# Allegro board SDHCalFEB.brd (continued)
## Routing (per net, layer and track width the routed paths; a pad name or vN(x,y) marks a point on that pad's centre or on a via; arc(x,y) is an arc through that point) (continued)
; v2(94.08,289.74) 94.51,289.74 ; v1(373.13,185.19) 373.13,185.62 ; v1(373.13,185.19) 373.56,185.19 ; v1(373.13,185.19) 373.13,184.76 ; v1(373.13,185.19) 372.69,185.19 ; v2(258.39,247.6) 258.39,248.03 ; v2(258.39,247.6) 258.39,247.17 ; v2(258.39,247.6) 257.96,247.6 ; v2(258.39,247.6) 258.83,247.6 ; 249.02,272.31 v2(249.45,272.31) ; v2(249.45,272.31) 249.89,272.31 ; v2(249.45,272.31) 249.45,272.75 ; v2(249.45,272.31) 249.45,271.88 ; 261.49,347.7 v1(261.49,348.13) ; v1(261.49,348.13) 261.06,348.13 ; v1(261.49,348.13) 261.49,348.56 ; v1(261.49,348.13) 261.93,348.13 ; v2(253.54,40.97) 253.98,40.97 ; v2(253.54,40.97) 253.11,40.97 ; v2(253.54,40.97) 253.54,40.54 ; v2(253.54,40.97) 253.54,41.4 ; J12.5 251.28,199.9 ; J12.5 252.41,198.77 ; J12.5 251.28,197.64 ; J12.5 250.15,198.77 ; 335.15,36.14 v2(335.58,36.14) ; v2(335.58,36.14) 336.02,36.14 ; v2(335.58,36.14) 335.58,36.58 ; v2(335.58,36.14) 335.58,35.71 ; 30.38,87.78 v2(30.81,87.78) ; v2(30.81,87.78) 31.24,87.78 ; v2(30.81,87.78) 30.81,87.35 ; v2(30.81,87.78) 30.81,88.21 ; J7.2 99.79,330.61 ; J7.2 98.66,329.48 ; J7.2 100.92,329.48 ; J7.2 99.79,328.35 ; v1(318.19,22.2) 318.19,22.63 ; v1(318.19,22.2) 318.19,21.77 ; v1(318.19,22.2) 317.75,22.2 ; v1(318.19,22.2) 318.62,22.2 ; v2(174.96,197.26) 174.96,197.69 ; v2(174.96,197.26) 175.39,197.26 ; v2(174.96,197.26) 174.52,197.26 ; v2(174.96,197.26) 174.96,196.82 ; 180.75,177.04 v2(181.18,177.04) ; v2(181.18,177.04) 181.61,177.04 ; v2(181.18,177.04) 181.18,176.61 ; v2(181.18,177.04) 181.18,177.47 ; v1(66.52,359.33) 66.52,359.77 ; v1(66.52,359.33) 66.09,359.33 ; v1(66.52,359.33) 66.52,358.9 ; v1(66.52,359.33) 66.95,359.33 ; v2(253.01,199.44) 253.01,199.87 ; v2(253.01,199.44) 253.01,199.01 ; v2(253.01,199.44) 252.58,199.44 ; v2(253.01,199.44) 253.44,199.44 ; 324.38,20.98 v1(324.38,21.41) ; v1(324.38,21.41) 324.38,21.84 ; v1(324.38,21.41) 323.95,21.41 ; v1(324.38,21.41) 324.82,21.41 ; v2(175.97,165.13) 176.4,165.13 ; v2(175.97,165.13) 175.97,164.69 ; v2(175.97,165.13) 175.54,165.13 ; v2(175.97,165.13) 175.97,165.56 ; 82.42,21.89 v1(82.42,22.33) ; v1(82.42,22.33) 82.42,22.76 ; v1(82.42,22.33) 81.99,22.33 ; v1(82.42,22.33) 82.86,22.33 ; J49.3 261.32,175.3 ; J49.3 259.05,175.3 ; J49.3 260.18,174.17 ; J49.3 260.18,176.43 ; v2(173.58,192.35) 174.02,192.35 ; v2(173.58,192.35) 173.58,191.92 ; v2(173.58,192.35) 173.15,192.35 ; v2(173.58,192.35) 173.58,192.79 ; U1053.6 v1(348.73,127.67) ; 173,33.5 v2(173,33.93) ; v2(173,33.93) 173.43,33.93 ; v2(173,33.93) 173,34.37 ; v2(173,33.93) 172.57,33.93 ; 338.48,319.02 v2(338.48,319.46) ; v2(338.48,319.46) 338.91,319.46 ; v2(338.48,319.46) 338.05,319.46 ; v2(338.48,319.46) 338.48,319.89 ; v2(99.09,178.13) 99.52,178.13 ; v2(99.09,178.13) 99.09,178.56 ; v2(99.09,178.13) 99.09,177.7 ; v2(99.09,178.13) 98.65,178.13 ; v2(175.67,162.64) 175.67,163.07 ; v2(175.67,162.64) 175.23,162.64 ; v2(175.67,162.64) 175.67,162.2 ; v2(175.67,162.64) 176.1,162.64 ; v2(337.26,197.99) 337.26,198.43 ; v2(337.26,197.99) 336.83,197.99 ; v2(337.26,197.99) 337.69,197.99 ; v2(337.26,197.99) 337.26,197.56 ; 248.06,41.05 v2(248.49,41.05) ; v2(248.49,41.05) 248.49,41.48 ; v2(248.49,41.05) 248.49,40.61 ; v2(248.49,41.05) 248.92,41.05 ; J32.5 91.7,38.27 ; J32.5 90.57,39.4 ; J32.5 90.57,37.13 ; J32.5 89.44,38.27 ; 339.85,86.38 v2(339.85,86.82) ; v2(339.85,86.82) 339.42,86.82 ; v2(339.85,86.82) 340.28,86.82 ; v2(339.85,86.82) 339.85,87.25 ; 177.55,88.39 v2(177.55,88.82) ; v2(177.55,88.82) 177.55,89.26 ; v2(177.55,88.82) 177.98,88.82 ; v2(177.55,88.82) 177.11,88.82 ; v2(39.9,174.07) 40.34,174.07 ; v2(39.9,174.07) 39.9,173.63 ; v2(39.9,174.07) 39.47,174.07 ; v2(39.9,174.07) 39.9,174.5 ; v2(272.59,178.64) 273.03,178.64 ; v2(272.59,178.64) 272.16,178.64 ; v2(272.59,178.64) 272.59,178.21 ; v2(272.59,178.64) 272.59,179.07 ; 256.02,271.72 J4.3 ; J4.3 256.02,273.98 ; J4.3 257.15,272.85 ; J4.3 254.89,272.85 ; 160.86,42.29 v2(160.86,42.72) ; v2(160.86,42.72) 160.86,43.16 ; v2(160.86,42.72) 161.29,42.72 ; v2(160.86,42.72) 160.43,42.72 ; 238.56,198.4 v2(238.99,198.4) ; v2(238.99,198.4) 238.99,197.97 ; v2(238.99,198.4) 239.42,198.4 ; 37.66,89.69 J58.2 ; J58.2 36.52,90.82 ; J58.2 37.66,91.95 ; J58.2 38.79,90.82 ; v2(175.34,171.25) 175.34,171.68 ; v2(175.34,171.25) 175.77,171.25 ; v2(175.34,171.25) 175.34,170.81 ; v2(175.34,171.25) 174.9,171.25 ; v2(176.76,249.1) 177.19,249.1 ; v2(176.76,249.1) 176.76,248.67 ; v2(176.76,249.1) 176.33,249.1 ; v2(176.76,249.1) 176.76,249.53 ; v1(380.56,108.7) 380.56,109.14 ; v2(251.89,96.24) 251.89,96.67 ; v2(251.89,96.24) 252.32,96.24 ; v2(251.89,96.24) 251.46,96.24 ; v2(251.89,96.24) 251.89,95.81 ; 180.16,24.38 v1(180.59,24.38) ; v1(180.59,24.38) 181.03,24.38 ; v1(180.59,24.38) 180.59,24.82 ; v1(180.59,24.38) 180.59,23.95 ; v2(98.93,93.62) 98.93,94.06 ; v2(98.93,93.62) 98.93,93.19 ; v2(98.93,93.62) 98.5,93.62 ; v2(98.93,93.62) 99.37,93.62 ; v2(32,332.36) 32,332.79 ; v2(32,332.36) 32.44,332.36 ; v2(32,332.36) 32,331.93 ; v2(32,332.36) 31.57,332.36 ; 233.78,196.62 v2(233.78,197.05) ; v2(233.78,197.05) 233.78,197.49 ; v2(233.78,197.05) 234.21,197.05 ; v2(233.78,197.05) 233.35,197.05 ; J47.4 96.85,255.26 ; J47.4 95.72,254.13 ; J47.4 94.59,255.26 ; J47.4 95.72,256.39 ; 260.6,246.76 v2(260.6,247.19) ; v2(260.6,247.19) 260.6,247.63 ; v2(260.6,247.19) 261.04,247.19 ; v2(260.6,247.19) 260.17,247.19 ; 318.57,21.23 v1(319,21.23) ; v1(319,21.23) 319,21.67 ; v1(319,21.23) 319.43,21.23 ; v1(319,21.23) 319,20.8 ; v2(176.4,84.99) 176.84,84.99 ; v2(176.4,84.99) 175.97,84.99 ; v2(176.4,84.99) 176.4,85.42 ; v2(176.4,84.99) 176.4,84.56 ; v2(177.78,161.86) 177.78,162.3 ; v2(101.3,35) 101.73,35 ; v2(101.3,35) 101.3,35.43 ; v2(101.3,35) 101.3,34.57 ; v2(101.3,35) 100.86,35 ; 89.49,113.58 J24.4 ; J24.4 91.75,113.58 ; J24.4 90.62,112.45 ; J24.4 90.62,114.71 ; 98.7,263.52 v2(99.14,263.52) ; v2(99.14,263.52) 99.14,263.09 ; v2(99.14,263.52) 99.14,263.96 ; v2(99.14,263.52) 99.57,263.52 ; v1(267.08,19.53) 267.08,19.96 ; v1(267.08,19.53) 266.65,19.53 ; v1(267.08,19.53) 267.08,19.1 ; v1(267.08,19.53) 267.51,19.53 ; v2(224.99,339.67) 225.43,339.67 ; v2(224.99,339.67) 224.56,339.67 ; v2(224.99,339.67) 224.99,340.11 ; v2(224.99,339.67) 224.99,339.24 ; v2(182.37,260.81) 182.8,260.81 ; v2(182.37,260.81) 181.94,260.81 ; v2(182.37,260.81) 182.37,261.24 ; v2(182.37,260.81) 182.37,260.37 ; v2(94.79,272.85) 94.79,273.28 ; v2(94.79,272.85) 94.79,272.41 ; v2(94.79,272.85) 94.36,272.85 ; v2(94.79,272.85) 95.23,272.85 ; v2(177.09,168.91) 177.09,169.34 ; v2(177.09,168.91) 177.09,168.48 ; v2(177.09,168.91) 176.66,168.91 ; v2(177.09,168.91) 177.52,168.91 ; v2(266.6,176.66) 266.6,177.09 ; v2(266.6,176.66) 267.03,176.66 ; v2(266.6,176.66) 266.17,176.66 ; v2(266.6,176.66) 266.6,176.22 ; R1450.1 181.1,322.78 ; 175.75,263.76 C171.2 ; C171.2 177.07,262.57 ; C171.2 178.4,263.76 ; v2(29.51,38.79) 29.95,38.79 ; v2(29.51,38.79) 29.51,38.35 ; v2(29.51,38.79) 29.51,39.22 ; v2(29.51,38.79) 29.08,38.79 ; C1413.2 355.78,189.07 ; J63.2 35.62,261.09 ; J63.2 36.75,259.96 ; J63.2 35.62,258.83 ; J63.2 34.49,259.96 ; 30.56,333.35 v2(30.56,333.78) ; v2(30.56,333.78) 30.99,333.78 ; v2(30.56,333.78) 30.12,333.78 ; v2(30.56,333.78) 30.56,334.21 ; 111.38,173.28 v2(111.38,173.71) ; v2(111.38,173.71) 110.95,173.71 ; v2(111.38,173.71) 111.38,174.14 ; v2(249.71,40.72) 250.14,40.72 ; v2(249.71,40.72) 249.28,40.72 ; v2(249.71,40.72) 249.71,40.28 ; v2(249.71,40.72) 249.71,41.15 ; 163.04,350.29 v1(163.47,350.29) ; v1(163.47,350.29) 163.47,349.86 ; v1(163.47,350.29) 163.91,350.29 ; v1(163.47,350.29) 163.47,350.72 ; v1(185.83,20.07) 186.26,20.07 ; v1(185.83,20.07) 185.83,20.5 ; v1(185.83,20.07) 185.83,19.63 ; v1(185.83,20.07) 185.39,20.07 ; 178.08,167.69 v2(178.51,167.69) ; v2(178.51,167.69) 178.51,168.12 ; v2(178.51,167.69) 178.51,167.26 ; v2(178.51,167.69) 178.94,167.69 ; J43.4 28.8,334.1 ; J43.4 26.54,334.1 ; J43.4 27.67,332.97 ; J43.4 27.67,335.23 ; 320.95,20.8 C1449.2 ; C1449.2 319.63,22 ; C1449.2 322.28,22 ; v2(275.74,181) 275.74,181.43 ; v2(275.74,181) 275.31,181 ; v2(275.74,181) 276.17,181 ; v2(275.74,181) 275.74,180.57 ; v2(173.28,277.8) 173.71,277.8 ; v2(173.28,277.8) 173.28,278.23 ; v2(173.28,277.8) 172.85,277.8 ; v2(173.28,277.8) 173.28,277.37 ; J2.2 335.16,277.83 ; J2.2 334.03,278.96 ; J2.2 334.03,276.7 ; J2.2 332.9,277.83 ; v2(259.46,326.39) 259.89,326.39 ; v2(259.46,326.39) 259.46,325.96 ; v2(259.46,326.39) 259.03,326.39 ; v2(259.46,326.39) 259.46,326.82 ; J29.3 179.5,85.6 ; J29.3 178.37,84.47 ; J29.3 180.63,84.47 ; J29.3 179.5,83.34 ; v1(373.08,186.69) 373.51,186.69 ; v1(373.08,186.69) 373.08,186.26 ; v1(373.08,186.69) 373.08,187.12 ; v1(373.08,186.69) 372.64,186.69 ; v2(253.03,278.16) 253.47,278.16 ; v2(253.03,278.16) 253.03,278.59 ; v2(253.03,278.16) 252.6,278.16 ; v2(253.03,278.16) 253.03,277.72 ; 173,37.46 v2(173,37.9) ; v2(173,37.9) 173.43,37.9 ; v2(173,37.9) 172.57,37.9 ; v2(173,37.9) 173,38.33 ; 260.3,24.36 v1(260.3,24.79) ; v1(260.3,24.79) 259.87,24.79 ; v1(260.3,24.79) 260.73,24.79 ; v1(260.3,24.79) 260.3,25.22 ; v2(236.85,36.09) 237.29,36.09 ; v2(236.85,36.09) 236.85,36.53 ; v2(236.85,36.09) 236.42,36.09 ; v2(236.85,36.09) 236.85,35.66 ; v2(179.91,177.04) 179.91,177.47 ; v2(179.91,177.04) 180.34,177.04 ; v2(179.91,177.04) 179.91,176.61 ; v2(179.91,177.04) 179.48,177.04 ; J59.3 340.45,256.34 ; J59.3 339.32,255.21 ; J59.3 340.45,254.08 ; J29.2 180.63,89.22 ; J29.2 179.5,88.09 ; J29.2 178.37,89.22 ; J29.2 179.5,90.35 ; v2(251.76,38.51) 251.76,38.94 ; v2(251.76,38.51) 251.76,38.07 ; v2(251.76,38.51) 252.2,38.51 ; v2(251.76,38.51) 251.33,38.51 ; v2(173.15,163.02) 173.58,163.02 ; 24.71,19.07 v1(24.71,19.51) ; v1(24.71,19.51) 25.15,19.51 ; v1(24.71,19.51) 24.71,19.94 ; v1(24.71,19.51) 24.28,19.51 ; J18.3 335.38,115.27 ; J18.3 336.51,114.13 ; J18.3 335.38,113 ; J18.3 334.25,114.13 ; 340.18,163.68 J17.3 ; J17.3 341.31,164.81 ; J17.3 340.18,165.94 ; J17.3 339.05,164.81 ; 325.02,48.79 v2(325.02,49.23) ; v2(325.02,49.23) 325.45,49.23 ; v2(325.02,49.23) 325.02,49.66 ; v2(325.02,49.23) 324.59,49.23 ; v2(109.78,326.9) 109.78,327.33 ; v2(109.78,326.9) 110.21,326.9 ; v2(109.78,326.9) 109.78,326.47 ; v2(109.78,326.9) 109.35,326.9 ; v2(337.24,195.05) 337.67,195.05 ; v2(337.24,195.05) 337.24,195.48 ; v2(337.24,195.05) 336.8,195.05 ; v2(337.24,195.05) 337.24,194.61 ; v2(183.11,257.12) 183.11,257.56 ; v2(183.11,257.12) 183.54,257.12 ; v2(183.11,257.12) 182.68,257.12 ; v2(183.11,257.12) 183.11,256.69 ; 35.15,85.72 v2(35.59,85.72) ; v2(35.59,85.72) 35.59,86.16 ; v2(35.59,85.72) 35.59,85.29 ; v2(35.59,85.72) 36.02,85.72 ; 35.62,254.08 J63.3 ; J63.3 34.49,255.21 ; J63.3 36.75,255.21 ; J63.3 35.62,256.34 ; 88.72,194.61 v2(89.15,194.61) ; v2(89.15,194.61) 89.15,195.05 ; v2(89.15,194.61) 89.59,194.61 ; v2(89.15,194.61) 89.15,194.18 ; 339.71,173.97 J48.3 ; J48.3 340.84,175.1 ; J48.3 338.58,175.1 ; J48.3 339.71,176.23 ; 189.36,321.94 v2(189.36,322.38) ; v2(189.36,322.38) 188.92,322.38 ; v2(189.36,322.38) 189.79,322.38 ; v2(189.36,322.38) 189.36,322.81 ; v2(222.66,340.79) 223.09,340.79 ; v2(222.66,340.79) 222.66,340.36 ; v2(222.66,340.79) 222.22,340.79 ; v2(222.66,340.79) 222.66,341.22 ; J27.4 254.82,84.57 ; J27.4 252.56,84.57 ; J27.4 253.69,83.44 ; J27.4 253.69,85.7 ; v1(359.61,206.63) 359.61,207.06 ; v1(359.61,206.63) 359.18,206.63 ; v1(359.61,206.63) 360.05,206.63 ; v1(359.61,206.63) 359.61,206.2 ; v2(95.45,162.51) 95.45,162.94 ; v2(95.45,162.51) 95.02,162.51 ; v2(95.45,162.51) 95.45,162.08 ; v2(95.45,162.51) 95.89,162.51 ; 253.62,263.5 v2(254.05,263.5) ; v2(254.05,263.5) 254.05,263.93 ; v2(254.05,263.5) 254.48,263.5 ; v2(254.05,263.5) 254.05,263.07 ; 25.79,20.55 J68.3 ; J68.3 24.66,21.68 ; J68.3 26.92,21.68 ; J68.3 25.79,22.81 ; J47.3 100.47,256.39 ; J47.3 101.6,255.26 ; J47.3 100.47,254.13 ; J47.3 99.34,255.26 ; J3.3 259.07,325.77 ; J3.3 260.2,324.64 ; J3.3 257.94,324.64 ; J3.3 259.07,323.51 ; 188.93,340.23 v2(188.93,340.66) ; v2(188.93,340.66) 188.93,341.1 ; v2(188.93,340.66) 189.36,340.66 ; v2(188.93,340.66) 188.49,340.66 ; 29.25,79.55 C1389.2 ; C1389.2 29.25,82.19 ; C1389.2 28.06,80.87 ; 267.67,165.07 v2(267.67,165.51) ; v2(267.67,165.51) 268.1,165.51 ; v2(267.67,165.51) 267.67,165.94 ; v2(267.67,165.51) 267.23,165.51 ; 363.14,154.84 v2(363.14,155.27) ; v2(363.14,155.27) 363.58,155.27 ; v2(363.14,155.27) 363.14,155.7 ; v2(363.14,155.27) 362.71,155.27 ; v2(168.83,200.84) 168.83,201.27 ; v2(168.83,200.84) 168.83,200.41 ; v2(168.83,200.84) 168.4,200.84 ; v2(168.83,200.84) 169.27,200.84 ; 257.86,271.96 v2(257.86,272.39) ; v2(257.86,272.39) 258.29,272.39 ; v2(257.86,272.39) 257.43,272.39 ; v2(257.86,272.39) 257.86,272.82 ; 171.96,194.79 v2(172.39,194.79) ; v2(172.39,194.79) 172.39,194.36 ; v2(172.39,194.79) 172.39,195.22 ; v2(172.39,194.79) 172.82,194.79 ; J52.4 262.72,23.37 ; J52.4 261.59,22.24 ; J52.4 263.86,22.24 ; J52.4 262.72,21.11 ; v2(143.03,339.29) 143.03,339.73 ; v2(143.03,339.29) 143.46,339.29 ; v2(143.03,339.29) 142.6,339.29 ; v2(143.03,339.29) 143.03,338.86 ; 95.07,273.91 v2(95.5,273.91) ; v2(95.5,273.91) 95.5,274.35 ; v2(95.5,273.91) 95.94,273.91 ; v2(95.5,273.91) 95.5,273.48 ; 153.11,117.35 v2(153.54,117.35) ; v2(153.54,117.35) 153.98,117.35 ; v2(153.54,117.35) 153.54,116.92 ; v2(153.54,117.35) 153.54,117.78 ; 156.29,116.41 v2(156.29,116.84) ; v2(156.29,116.84) 156.72,116.84 ; v2(156.29,116.84) 156.29,117.27 ; v2(156.29,116.84) 155.85,116.84 ; v2(254.47,252.7) 254.91,252.7 ; v2(254.47,252.7) 254.47,252.27 ; v2(254.47,252.7) 254.47,253.13 ; v2(98.12,32.72) 98.55,32.72 ; v2(98.12,32.72) 98.12,33.15 ; v2(98.12,32.72) 98.12,32.28 ; v2(98.12,32.72) 97.69,32.72 ; v2(145.16,340.97) 145.59,340.97 ; v2(145.16,340.97) 145.16,341.4 ; v2(145.16,340.97) 145.16,340.54 ; v2(145.16,340.97) 144.73,340.97 ; 185.44,253.06 U339.1 ; U339.1 186.25,253.06 ; U339.1 185.85,253.82 ; v2(89.36,40.28) 89.79,40.28 ; v2(89.36,40.28) 89.36,39.85 ; v2(89.36,40.28) 88.92,40.28 ; v2(89.36,40.28) 89.36,40.72 ; 174.07,170.81 v2(174.07,171.25) ; v2(174.07,171.25) 173.63,171.25 ; v2(174.07,171.25) 174.07,171.68 ; v2(174.07,171.25) 174.5,171.25 ; 95.02,242.72 v2(95.02,243.15) ; v2(95.02,243.15) 95.45,243.15 ; v2(95.02,243.15) 95.02,243.59 ; v2(95.02,243.15) 94.59,243.15 ; 272.72,173.71 R1949.1 272.16,174.3 ; 333.97,198.82 J10.2 ; J10.2 335.1,197.69 ; J10.2 336.23,198.82 ; J10.2 335.1,199.95 ; 340.77,166.07 v2(340.77,166.5) ; v2(340.77,166.5) 341.2,166.5 ; v2(340.77,166.5) 340.34,166.5 ; v2(340.77,166.5) 340.77,166.93 ; 149.57,337.95 J38.3 ; J38.3 148.44,339.08 ; J38.3 150.7,339.08 ; J38.3 149.57,340.21 ; 99.47,171.7 v2(99.9,171.7) ; v2(99.9,171.7) 99.9,171.27 ; v2(99.9,171.7) 99.9,172.14 ; J18.2 335.38,120.02 ; J18.2 335.38,117.75 ; J18.2 334.25,118.88 ; J18.2 336.51,118.88 ; v1(161.7,347.98) 161.7,348.41 ; v1(161.7,347.98) 161.26,347.98 ; v1(161.7,347.98) 162.13,347.98 ; v1(161.7,347.98) 161.7,347.55 ; 94.39,242.26 v2(93.96,242.26) 93.96,242.69 ; 252.96,33.96 v2(252.96,34.39) ; v2(252.96,34.39) 252.96,34.82 ; v2(252.96,34.39) 253.39,34.39 ; v2(252.96,34.39) 252.53,34.39 ; v2(307.47,350.88) 307.47,351.31 ; v2(307.47,350.88) 307.03,350.88 ; v2(307.47,350.88) 307.9,350.88 ; v2(307.47,350.88) 307.47,350.44 ; v1(61.06,357.53) 61.06,357.96 ; v1(61.06,357.53) 61.49,357.53 ; v1(61.06,357.53) 60.63,357.53 ; v1(61.06,357.53) 61.06,357.1 ; J44.2 341.5,267.76 ; J44.2 340.37,268.89 ; J44.2 340.37,266.63 ; J44.2 339.24,267.76 ; 176.86,40.36 v2(177.29,40.36) ; v2(177.29,40.36) 177.29,39.93 ; v2(177.29,40.36) 177.29,40.79 ; v2(177.29,40.36) 177.72,40.36 ; 30.71,265.79 v2(30.71,266.22) ; v2(30.71,266.22) 31.14,266.22 ; v2(30.71,266.22) 30.71,266.65 ; v2(30.71,266.22) 30.28,266.22 ; v2(97.46,39.73) 97.89,39.73 ; v2(97.46,39.73) 97.46,39.29 ; v2(97.46,39.73) 97.03,39.73 ; v2(97.46,39.73) 97.46,40.16 ; 253.72,173.28 R1913.1 253.72,172.11 ; v2(33.86,255.7) 33.86,256.13 ; v2(33.86,255.7) 33.43,255.7 ; v2(33.86,255.7) 34.29,255.7 ; v2(33.86,255.7) 33.86,255.27 ; 93.34,278.33 J8.2 ; J8.2 92.21,279.46 ; J8.2 94.47,279.46 ; J8.2 93.34,280.59 ; v2(336.88,91.16) 337.31,91.16 ; v2(336.88,91.16) 336.88,91.59 ; v2(336.88,91.16) 336.88,90.73 ; v2(336.88,91.16) 336.45,91.16 ; 97.41,199.97 U432.1 ; 336.09,85.22 v2(336.52,85.22) ; v2(336.52,85.22) 336.96,85.22 ; v2(336.52,85.22) 336.52,84.78 ; v2(336.52,85.22) 336.52,85.65 ; 167.34,119.53 v2(167.34,119.1) 167.78,119.1 ; 351.1,262.31 v1(351.1,262.74) ; v1(351.1,262.74) 351.54,262.74 ; v1(351.1,262.74) 350.67,262.74 ; v1(351.1,262.74) 351.1,263.17 ; J31.4 94.03,85.88 ; J31.4 92.9,84.75 ; J31.4 94.03,83.62 ; J31.4 95.16,84.75 ; v2(339.32,91.21) 339.75,91.21 ; v2(339.32,91.21) 339.32,91.64 ; v2(339.32,91.21) 339.32,90.78 ; v2(339.32,91.21) 338.89,91.21 ; v2(337.03,253.26) 337.46,253.26 ; v2(337.03,253.26) 337.03,253.7 ; v2(337.03,253.26) 337.03,252.83 ; v2(337.03,253.26) 336.6,253.26 ; v2(95.68,165.28) 95.68,165.71 ; v2(95.68,165.28) 95.68,164.85 ; v2(95.68,165.28) 95.25,165.28 ; v2(95.68,165.28) 96.11,165.28 ; v2(192,258.37) 192,258.8 ; v2(192,258.37) 192,257.94 ; v2(192,258.37) 192.43,258.37 ; v2(192,258.37) 191.57,258.37 ; v2(39.93,172.69) 39.93,173.13 ; v2(39.93,172.69) 39.5,172.69 ; v2(39.93,172.69) 39.93,172.26 ; 231.82,118.07 v2(231.82,118.5) ; v2(231.82,118.5) 232.25,118.5 ; v2(231.82,118.5) 231.38,118.5 ; v2(257.58,91.11) 258.01,91.11 ; v2(257.58,91.11) 257.58,91.54 ; v2(257.58,91.11) 257.15,91.11 ; v2(257.58,91.11) 257.58,90.68 ; 262,19.43 v1(262,19.86) ; v1(262,19.86) 262,20.3 ; v1(262,19.86) 261.57,19.86 ; v1(262,19.86) 262.43,19.86 ; 333.7,120.96 v2(333.7,121.4) ; 338.68,261.04 v2(338.68,261.47) ; v2(338.68,261.47) 338.25,261.47 ; v2(338.68,261.47) 339.12,261.47 ; v2(338.68,261.47) 338.68,261.9 ; v2(27.97,181.86) 27.97,182.3 ; v2(27.97,181.86) 27.53,181.86 ; v2(27.97,181.86) 27.97,181.43 ; v2(27.97,181.86) 28.4,181.86 ; v2(95.17,192.3) 95.61,192.3 ; v2(95.17,192.3) 95.17,191.87 ; v2(95.17,192.3) 95.17,192.74 ; v2(95.17,192.3) 94.74,192.3 ; v2(332.94,91.06) 332.94,91.49 ; v2(332.94,91.06) 332.94,90.63 ; v2(332.94,91.06) 333.38,91.06 ; v2(332.94,91.06) 332.51,91.06 ; v2(327.61,34.85) 328.04,34.85 ; v2(327.61,34.85) 327.61,34.42 ; v2(327.61,34.85) 327.18,34.85 ; v2(327.61,34.85) 327.61,35.28 ; v2(169.39,280.7) 169.82,280.7 ; v2(169.39,280.7) 169.39,280.26 ; v2(169.39,280.7) 168.96,280.7 ; v2(169.39,280.7) 169.39,281.13 ; 291.08,343.89 v2(291.52,343.89) ; v2(291.52,343.89) 291.95,343.89 ; v2(291.52,343.89) 291.52,343.46 ; v2(291.52,343.89) 291.52,344.32 ; v2(335.28,264.72) 335.71,264.72 ; v2(335.28,264.72) 335.28,264.29 ; v2(335.28,264.72) 334.85,264.72 ; 299.25,342.98 J40.3 ; J40.3 298.12,344.11 ; J40.3 300.38,344.11 ; J40.3 299.25,345.24 ; 94.06,330.89 v2(94.06,331.32) ; v2(94.06,331.32) 93.62,331.32 ; v2(94.06,331.32) 94.49,331.32 ; v2(94.06,331.32) 94.06,331.75 ; J34.A30 v1(394.88,199.27) ; v2(93.93,260.55) 94.36,260.55 ; v2(93.93,260.55) 93.93,260.12 ; v2(93.93,260.55) 93.93,260.99 ; v2(93.93,260.55) 93.5,260.55 ; 173.43,272.57 v2(173.43,273) ; v2(173.43,273) 173,273 ; v2(173.43,273) 173.86,273 ; v2(173.43,273) 173.43,273.43 ; 191.67,256.11 v2(191.67,256.54) ; v2(191.67,256.54) 192.1,256.54 ; v2(191.67,256.54) 191.24,256.54 ; v2(191.67,256.54) 191.67,256.97 ; 331.98,114.68 v2(332.41,114.68) ; v2(332.41,114.68) 332.41,115.11 ; v2(332.41,114.68) 332.84,114.68 ; v2(332.41,114.68) 332.41,114.25 ; v1(355.7,182.73) 355.7,183.16 ; 174.47,172.29 v2(174.47,172.72) ; v2(174.47,172.72) 174.9,172.72 ; v2(174.47,172.72) 174.47,173.15 ; v1(354.33,140.04) U1052.24 v1(351.97,140.04) ; v2(98.25,98.88) 98.68,98.88 ; v2(98.25,98.88) 97.81,98.88 ; v2(98.25,98.88) 98.25,98.45 ; v2(98.25,98.88) 98.25,99.31 ; v2(335.36,266.04) 335.36,266.47 ; v2(335.36,266.04) 334.92,266.04 ; v2(335.36,266.04) 335.79,266.04 ; J2.3 334.03,274.21 ; J2.3 335.16,273.08 ; J2.3 332.9,273.08 ; J2.3 334.03,271.95 ; v2(182.45,177.04) 182.88,177.04 ; v2(182.45,177.04) 182.45,177.47 ; v2(182.45,177.04) 182.02,177.04 ; v2(182.45,177.04) 182.45,176.61 ; 259.71,22.1 v1(260.15,22.1) ; v1(260.15,22.1) 260.15,21.67 ; v1(260.15,22.1) 260.15,22.53 ; v1(260.15,22.1) 260.58,22.1 ; U794.2 263.08,93.83 ; 174.29,91.08 v2(174.73,91.08) ; v2(174.73,91.08) 174.73,90.65 ; v2(174.73,91.08) 175.16,91.08 ; v2(174.73,91.08) 174.73,91.52 ; 178.38,252.83 v2(178.38,253.26) 